# KiCad board ciaa_acc.kicad_pcb (continued)
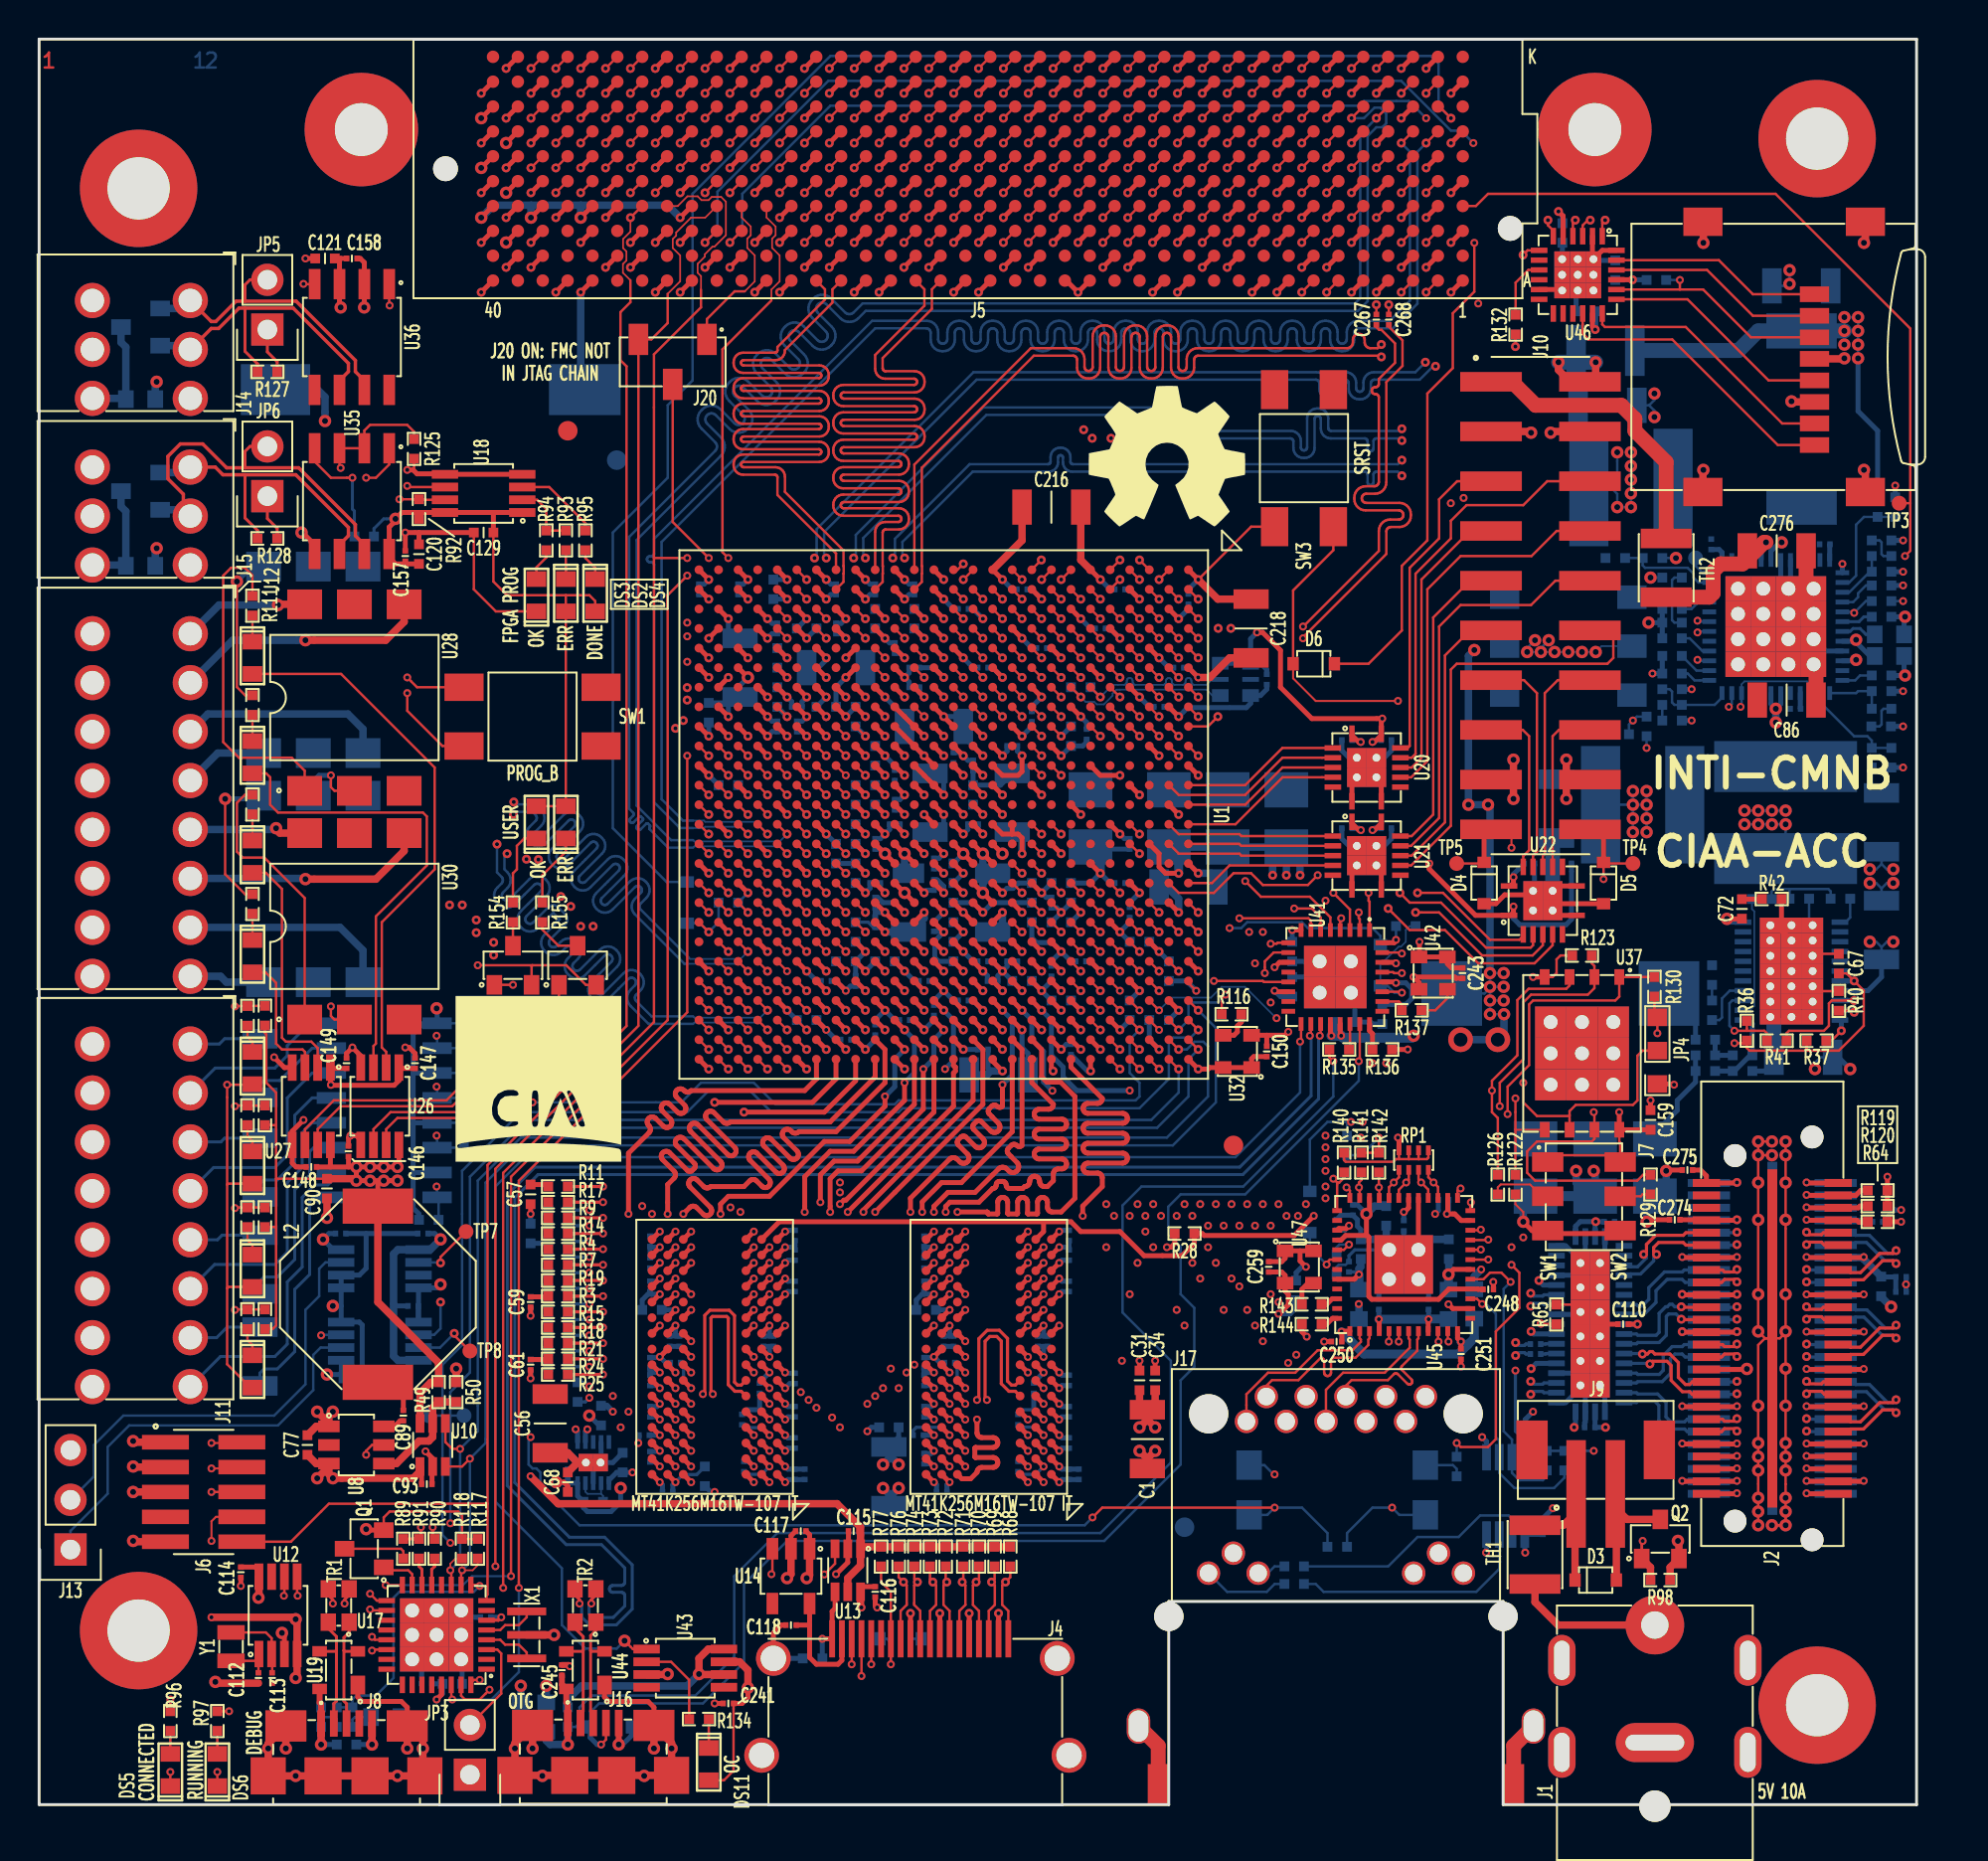
[diagram p0: board, top side]
## Routing (per net, layer and track width the routed paths; a pad name or vN(x,y) marks a point on that pad's centre or on a via; arc(x,y) is an arc through that point) (continued)
/Principal/BANKS_HR/FMC_LA_9_P: length 77.7
  TOP_L1.Sig w0.127: J5.D14 56.19,81.65 v2(55.6,81.05) ; U1.AB12 v2(38.2,51.57)
  L10.Sig w0.089: v2(38.2,51.57) 37.71,51.08 36.99,51.08 36.7,51.37 36.7,51.77 36.53,51.94 33.91,51.94 33.9,51.93 31.95,51.93 29.3,54.58 29.3,64.22 31.79,66.72 51.11,66.72 51.14,66.72 51.18,66.73 51.21,66.75 51.23,66.78 51.25,66.81 51.27,66.84 51.27,66.88 51.27,67.2 51.28,67.29 51.31,67.38 51.36,67.46 51.43,67.52 51.5,67.57 51.59,67.6 51.68,67.61 51.73,67.61 51.83,67.6 51.91,67.57 51.99,67.52 52.06,67.46 52.11,67.38 52.14,67.29 52.15,67.2 52.15,66.88 52.15,66.84 52.16,66.81 52.18,66.78 52.21,66.75 52.24,66.73 52.27,66.72 52.31,66.72 52.34,66.72 52.38,66.73 52.41,66.75 52.43,66.78 52.45,66.81 52.47,66.84 52.47,66.88 52.47,67.2 52.48,67.29 52.51,67.38 52.56,67.46 52.63,67.52 52.7,67.57 52.79,67.6 52.88,67.61 52.93,67.61 53.03,67.6 53.11,67.57 53.19,67.52 53.26,67.46 53.31,67.38 53.34,67.29 53.35,67.2 53.35,66.88 53.35,66.84 53.36,66.81 53.38,66.78 53.41,66.75 53.44,66.73 53.47,66.72 53.51,66.72 53.54,66.72 53.58,66.73 53.61,66.75 53.63,66.78 53.65,66.81 53.67,66.84 53.67,66.88 53.67,67.2 53.68,67.29 53.71,67.38 53.76,67.46 53.83,67.52 53.9,67.57 53.99,67.6 54.08,67.61 54.13,67.61 54.23,67.6 54.31,67.57 54.39,67.52 54.46,67.46 54.51,67.38 54.54,67.29 54.55,67.2 54.55,66.88 54.55,66.84 54.56,66.81 54.58,66.78 54.61,66.75 54.64,66.73 54.67,66.72 54.71,66.72 54.78,66.72 55.47,67.4 55.49,67.44 55.51,67.48 55.52,67.52 55.52,67.57 55.51,67.61 55.49,67.65 55.47,67.69 55.45,67.7 55.43,67.74 55.41,67.78 55.4,67.82 55.4,67.86 55.41,67.91 55.43,67.95 55.45,67.98 55.49,68.01 55.53,68.03 55.57,68.04 55.62,68.04 55.66,68.03 55.7,68.01 55.74,67.98 55.75,67.97 55.78,67.94 55.82,67.92 55.87,67.91 55.91,67.91 55.96,67.92 56,67.94 56.03,67.97 56.09,68.03 56.09,69.02 56.09,69.03 56.09,69.04 56.09,69.05 56.08,69.05 56.07,69.06 56.07,69.06 56.06,69.06 55.9,69.06 55.83,69.07 55.77,69.09 55.72,69.12 55.67,69.17 55.63,69.23 55.61,69.29 55.6,69.36 55.6,69.64 55.61,69.71 55.63,69.77 55.67,69.83 55.72,69.87 55.77,69.91 55.83,69.93 55.9,69.94 56.55,69.94 56.56,69.94 56.56,69.94 56.57,69.95 56.58,69.95 56.58,69.96 56.58,69.97 56.58,69.97 56.58,70.22 56.58,70.23 56.58,70.24 56.58,70.25 56.57,70.25 56.56,70.26 56.56,70.26 56.55,70.26 55.9,70.26 55.83,70.27 55.77,70.29 55.72,70.32 55.67,70.37 55.63,70.43 55.61,70.49 55.6,70.56 55.6,70.84 55.61,70.91 55.63,70.97 55.67,71.03 55.72,71.07 55.77,71.11 55.83,71.13 55.9,71.14 56.55,71.14 56.56,71.14 56.56,71.14 56.57,71.15 56.58,71.15 56.58,71.16 56.58,71.17 56.58,71.17 56.58,71.42 56.58,71.43 56.58,71.44 56.58,71.45 56.57,71.45 56.56,71.46 56.56,71.46 56.55,71.46 55.9,71.46 55.83,71.47 55.77,71.49 55.72,71.52 55.67,71.57 55.63,71.63 55.61,71.69 55.6,71.76 55.6,72.04 55.61,72.11 55.63,72.17 55.67,72.23 55.72,72.27 55.77,72.31 55.83,72.33 55.9,72.34 56.55,72.34 56.56,72.34 56.56,72.34 56.57,72.35 56.58,72.35 56.58,72.36 56.58,72.37 56.58,72.37 56.58,72.62 56.58,72.63 56.58,72.64 56.58,72.65 56.57,72.65 56.56,72.66 56.56,72.66 56.55,72.66 55.9,72.66 55.83,72.67 55.77,72.69 55.72,72.72 55.67,72.77 55.63,72.83 55.61,72.89 55.6,72.96 55.6,73.24 55.61,73.31 55.63,73.37 55.67,73.43 55.72,73.47 55.77,73.51 55.83,73.53 55.9,73.54 56.55,73.54 56.56,73.54 56.56,73.54 56.57,73.55 56.58,73.55 56.58,73.56 56.58,73.57 56.58,73.57 56.58,73.82 56.58,73.83 56.58,73.84 56.58,73.85 56.57,73.85 56.56,73.86 56.56,73.86 56.55,73.86 55.9,73.86 55.83,73.87 55.77,73.89 55.72,73.92 55.67,73.97 55.63,74.03 55.61,74.09 55.6,74.16 55.6,74.44 55.61,74.51 55.63,74.57 55.67,74.63 55.72,74.67 55.77,74.71 55.83,74.73 55.9,74.74 56.55,74.74 56.56,74.74 56.56,74.74 56.57,74.75 56.58,74.75 56.58,74.76 56.58,74.77 56.58,74.77 56.58,75.02 56.58,75.03 56.58,75.04 56.58,75.05 56.57,75.05 56.56,75.06 56.56,75.06 56.55,75.06 55.9,75.06 55.83,75.07 55.77,75.09 55.72,75.12 55.67,75.17 55.63,75.23 55.61,75.29 55.6,75.36 55.6,75.64 55.61,75.71 55.63,75.77 55.67,75.83 55.72,75.87 55.77,75.91 55.83,75.93 55.9,75.94 56.06,75.94 56.07,75.94 56.07,75.94 56.08,75.95 56.09,75.95 56.09,75.96 56.09,75.97 56.09,75.97 56.09,76.3 54.82,77.57 54.82,80.28 v2(55.6,81.05)
/Principal/BANKS_HR/FMC_LA_10_N: length 77.7
  TOP_L1.Sig w0.127: J5.C15 54.92,80.38 v2(54.33,79.78) ; U1.AA14 v2(39.2,49.57)
  L8.Sig w0.089: v2(54.74,69.79) 54.74,70.05 54.33,70.46 54.33,70.95 54.5,71.12 54.52,71.14 54.53,71.16 54.53,71.18 54.53,71.21 54.53,71.23 54.52,71.26 54.5,71.28 54.22,71.56 54.2,71.58 54.19,71.6 54.19,71.63 54.19,71.65 54.19,71.68 54.2,71.7 54.22,71.72 54.24,71.74 54.26,71.75 54.29,71.75 54.31,71.75 54.34,71.75 54.36,71.74 54.38,71.72 54.66,71.44 54.68,71.42 54.71,71.41 54.73,71.41 54.76,71.41 54.78,71.41 54.8,71.42 54.82,71.44 54.82,71.8 54.83,71.87 54.85,71.94 54.89,72 54.94,72.05 55,72.08 55.07,72.11 55.14,72.11 55.29,72.11 55.31,72.12 55.32,72.12 55.33,72.13 55.34,72.13 55.34,72.14 55.35,72.16 55.35,72.17 55.35,72.38 55.35,72.39 55.34,72.41 55.34,72.42 55.33,72.42 55.32,72.43 55.31,72.43 55.29,72.44 54.96,72.44 54.96,72.44 54.61,72.44 54.54,72.45 54.48,72.47 54.42,72.51 54.37,72.56 54.33,72.62 54.31,72.69 54.3,72.76 54.3,73.01 54.31,73.08 54.33,73.15 54.37,73.21 54.42,73.25 54.48,73.29 54.54,73.31 54.61,73.32 55.29,73.32 55.31,73.32 55.32,73.33 55.33,73.33 55.34,73.34 55.34,73.35 55.35,73.36 55.35,73.37 55.35,73.59 55.35,73.6 55.34,73.61 55.34,73.62 55.33,73.63 55.32,73.64 55.31,73.64 55.29,73.64 54.61,73.64 54.54,73.65 54.48,73.67 54.42,73.71 54.37,73.76 54.33,73.82 54.31,73.89 54.3,73.96 54.3,74.21 54.31,74.28 54.33,74.35 54.37,74.41 54.42,74.45 54.48,74.49 54.54,74.51 54.61,74.52 55.29,74.52 55.31,74.52 55.32,74.53 55.33,74.53 55.34,74.54 55.34,74.55 55.35,74.56 55.35,74.57 55.35,74.79 55.35,74.8 55.34,74.81 55.34,74.82 55.33,74.83 55.32,74.84 55.31,74.84 55.29,74.84 54.61,74.84 54.54,74.85 54.48,74.87 54.42,74.91 54.37,74.96 54.33,75.02 54.31,75.09 54.3,75.16 54.3,75.41 54.31,75.48 54.33,75.55 54.37,75.61 54.42,75.65 54.48,75.69 54.54,75.71 54.61,75.72 55.29,75.72 55.31,75.72 55.32,75.73 55.33,75.73 55.34,75.74 55.34,75.75 55.35,75.76 55.35,75.77 55.35,75.99 55.35,76 55.34,76.01 55.34,76.02 55.33,76.03 55.32,76.04 55.31,76.04 55.29,76.04 54.61,76.04 54.54,76.05 54.48,76.07 54.42,76.11 54.37,76.16 54.33,76.22 54.31,76.29 54.3,76.36 54.3,76.61 54.31,76.68 54.33,76.75 54.37,76.81 54.42,76.85 54.48,76.89 54.54,76.91 54.61,76.92 55.29,76.92 55.31,76.92 55.32,76.93 55.33,76.93 55.34,76.94 55.34,76.95 55.35,76.96 55.35,76.97 55.35,77.19 55.35,77.2 55.34,77.21 55.34,77.22 55.33,77.23 55.32,77.24 55.31,77.24 55.29,77.24 54.61,77.24 54.54,77.25 54.48,77.27 54.42,77.31 54.37,77.36 54.33,77.42 54.31,77.49 54.3,77.56 54.3,77.81 54.31,77.88 54.33,77.95 54.37,78.01 54.42,78.05 54.48,78.09 54.54,78.11 54.61,78.12 54.77,78.12 54.78,78.12 54.79,78.13 54.8,78.13 54.81,78.14 54.82,78.15 54.82,78.16 54.82,78.17 54.82,79.29 v2(54.33,79.78) ; v2(39.2,49.57) 38.82,49.19 33.9,49.19 33.89,49.21 30.62,49.21 28.05,51.77 28.05,66.01 30.76,68.72 52.98,68.72 53.6,69.34 53.6,69.6 v2(53.78,69.79)
  L10.Sig w0.089: v2(54.74,69.79) 54.74,70.05 54.4,70.39 54.13,70.39 53.78,70.05 v2(53.78,69.79)
/Principal/BANKS_HR/FMC_LA_10_P: length 77.7
  TOP_L1.Sig w0.127: v2(55.6,79.78) 56.19,80.38 J5.C14 ; U1.AA15 v2(39.2,48.57)
  L8.Sig w0.089: v2(39.2,48.57) 38.82,48.95 33.9,48.95 33.88,48.93 30.51,48.93 27.77,51.66 27.77,66.13 30.65,69 52.86,69 53.35,69.49 v2(53.35,70.22) ; v2(55.18,70.22) 54.92,70.22 54.58,70.56 54.58,70.84 55.1,71.37 55.1,71.78 55.1,71.79 55.11,71.81 55.11,71.82 55.12,71.82 55.13,71.83 55.14,71.83 55.15,71.84 55.31,71.84 55.38,71.84 55.45,71.87 55.51,71.9 55.56,71.95 55.6,72.01 55.62,72.08 55.63,72.15 55.63,72.4 55.62,72.47 55.6,72.54 55.56,72.6 55.51,72.65 55.45,72.68 55.38,72.71 55.31,72.71 54.96,72.71 54.96,72.72 54.63,72.72 54.62,72.72 54.61,72.73 54.6,72.73 54.59,72.74 54.58,72.75 54.58,72.76 54.58,72.77 54.58,72.99 54.58,73 54.58,73.01 54.59,73.02 54.6,73.03 54.61,73.04 54.62,73.04 54.63,73.04 55.31,73.04 55.38,73.05 55.45,73.07 55.51,73.11 55.56,73.16 55.6,73.22 55.62,73.29 55.63,73.36 55.63,73.61 55.62,73.68 55.6,73.75 55.56,73.81 55.51,73.85 55.45,73.89 55.38,73.91 55.31,73.92 54.63,73.92 54.62,73.92 54.61,73.93 54.6,73.93 54.59,73.94 54.58,73.95 54.58,73.96 54.58,73.97 54.58,74.19 54.58,74.2 54.58,74.21 54.59,74.22 54.6,74.23 54.61,74.24 54.62,74.24 54.63,74.24 55.31,74.24 55.38,74.25 55.45,74.27 55.51,74.31 55.56,74.36 55.6,74.42 55.62,74.49 55.63,74.56 55.63,74.81 55.62,74.88 55.6,74.95 55.56,75.01 55.51,75.05 55.45,75.09 55.38,75.11 55.31,75.12 54.63,75.12 54.62,75.12 54.61,75.13 54.6,75.13 54.59,75.14 54.58,75.15 54.58,75.16 54.58,75.17 54.58,75.39 54.58,75.4 54.58,75.41 54.59,75.42 54.6,75.43 54.61,75.44 54.62,75.44 54.63,75.44 55.31,75.44 55.38,75.45 55.45,75.47 55.51,75.51 55.56,75.56 55.6,75.62 55.62,75.69 55.63,75.76 55.63,76.01 55.62,76.08 55.6,76.15 55.56,76.21 55.51,76.25 55.45,76.29 55.38,76.31 55.31,76.32 54.63,76.32 54.62,76.32 54.61,76.33 54.6,76.33 54.59,76.34 54.58,76.35 54.58,76.36 54.58,76.37 54.58,76.59 54.58,76.6 54.58,76.61 54.59,76.62 54.6,76.63 54.61,76.64 54.62,76.64 54.63,76.64 55.31,76.64 55.38,76.65 55.45,76.67 55.51,76.71 55.56,76.76 55.6,76.82 55.62,76.89 55.63,76.96 55.63,77.21 55.62,77.28 55.6,77.35 55.56,77.41 55.51,77.45 55.45,77.49 55.38,77.51 55.31,77.52 54.63,77.52 54.62,77.52 54.61,77.53 54.6,77.53 54.59,77.54 54.58,77.55 54.58,77.56 54.58,77.57 54.58,77.79 54.58,77.8 54.58,77.81 54.59,77.82 54.6,77.83 54.61,77.84 54.62,77.84 54.63,77.84 54.79,77.84 54.86,77.85 54.93,77.87 54.99,77.91 55.03,77.96 55.07,78.02 55.09,78.09 55.1,78.16 55.1,79.29 v2(55.6,79.78)
  L10.Sig w0.089: v2(55.18,70.22) 54.92,70.22 54.51,70.64 54.02,70.64 53.61,70.22 v2(53.35,70.22)
/Principal/BANKS_HR/FMC_LA_11_N: length 77.7
  TOP_L1.Sig w0.127: v2(51.79,86.13) 52.38,86.73 J5.H17 ; U1.AA17 v2(39.2,46.57)
  L8.Sig w0.089: v2(51.79,86.13) 52.28,85.64 52.28,73.05 52.27,73.04 52.25,73.03 52.23,73.03 52.21,73.03 52.2,73.03 52.18,73.04 52.16,73.05 52.05,73.17 51.99,73.21 51.92,73.25 51.85,73.26 51.77,73.26 51.7,73.25 51.63,73.21 51.57,73.17 51.43,73.03 51.38,72.97 51.35,72.9 51.33,72.83 51.33,72.75 51.35,72.67 51.38,72.6 51.43,72.54 51.7,72.27 51.96,72.02 51.97,72 51.98,71.98 51.98,71.96 51.98,71.95 51.98,71.93 51.97,71.91 51.96,71.9 51.85,71.79 51.83,71.78 51.82,71.77 51.8,71.76 51.78,71.76 51.76,71.77 51.75,71.78 51.73,71.79 51.2,72.32 51.14,72.37 51.07,72.4 51,72.42 50.92,72.42 50.85,72.4 50.78,72.37 50.72,72.32 50.58,72.18 50.53,72.12 50.5,72.05 50.48,71.98 50.48,71.9 50.5,71.82 50.53,71.76 50.58,71.7 50.69,71.58 50.7,71.57 50.71,71.55 50.72,71.53 50.72,71.51 50.71,71.49 50.7,71.48 50.69,71.46 50.6,71.37 50.58,71.36 50.56,71.35 50.54,71.34 50.52,71.34 50.5,71.35 50.48,71.36 50.46,71.37 50.31,71.52 50.29,71.53 50.27,71.54 50.25,71.54 50.23,71.54 50.21,71.54 50.19,71.53 50.17,71.52 50.16,71.5 50.15,71.48 50.14,71.46 50.14,71.43 50.15,71.41 50.16,71.39 50.17,71.37 50.32,71.23 50.33,71.21 50.34,71.19 50.35,71.17 50.35,71.15 50.34,71.12 50.33,71.1 50.32,71.09 49.76,70.53 30.01,70.53 26.25,66.76 26.25,50.64 29.96,46.93 33.9,46.93 33.91,46.94 38.83,46.94 v2(39.2,46.57)
/Principal/BANKS_HR/FMC_LA_11_P: length 77.7
  TOP_L1.Sig w0.127: U1.Y17 v2(40.2,46.57) ; J5.H16 53.65,86.73 v2(53.06,86.13)
  L8.Sig w0.089: v2(53.06,86.13) 52.56,85.64 52.56,72.94 52.47,72.84 52.41,72.79 52.34,72.76 52.26,72.74 52.19,72.74 52.11,72.76 52.04,72.79 51.98,72.84 51.87,72.95 51.85,72.97 51.84,72.97 51.82,72.98 51.8,72.98 51.78,72.97 51.76,72.97 51.75,72.95 51.64,72.85 51.63,72.83 51.62,72.81 51.62,72.8 51.62,72.78 51.62,72.76 51.63,72.74 51.64,72.73 51.9,72.47 52.17,72.2 52.22,72.14 52.25,72.07 52.27,71.99 52.27,71.92 52.25,71.84 52.22,71.77 52.17,71.71 52.03,71.58 51.97,71.53 51.9,71.49 51.83,71.48 51.75,71.48 51.68,71.49 51.61,71.53 51.55,71.58 51.02,72.1 51,72.12 50.99,72.12 50.97,72.13 50.95,72.13 50.93,72.12 50.91,72.12 50.9,72.1 50.79,72 50.78,71.98 50.77,71.97 50.77,71.95 50.77,71.93 50.77,71.91 50.78,71.89 50.79,71.88 50.91,71.76 50.95,71.7 50.99,71.64 51,71.56 51,71.48 50.99,71.41 50.95,71.34 50.91,71.28 49.87,70.25 30.13,70.25 26.53,66.65 26.53,50.76 30.08,47.21 33.9,47.21 33.92,47.19 39.58,47.19 v2(40.2,46.57)
/Principal/BANKS_HR/FMC_LA_12_N: length 77.7
  TOP_L1.Sig w0.127: U1.W15 v2(41.2,48.57) ; v2(53.06,84.86) 53.65,85.46 J5.G16
  L8.Sig w0.089: v2(53.06,84.86) 53.69,84.86 54.2,85.37 54.58,85.37 54.84,85.12 54.84,84.74 54.58,84.48 54.45,84.48 53.83,83.86 53.83,74.68 53.82,74.59 53.79,74.5 53.74,74.42 53.68,74.35 53.6,74.31 53.51,74.27 53.42,74.26 53.21,74.26 53.17,74.26 53.14,74.25 53.11,74.23 53.08,74.2 53.06,74.17 53.05,74.14 53.05,74.1 53.05,74.07 53.06,74.03 53.08,74 53.11,73.98 53.14,73.96 53.17,73.95 53.21,73.94 53.42,73.94 53.51,73.93 53.6,73.9 53.68,73.85 53.74,73.79 53.79,73.71 53.82,73.62 53.83,73.53 53.83,71.98 51.34,69.48 30.38,69.48 27.29,66.39 27.29,51.27 30.35,48.21 33.88,48.21 33.9,48.19 40.82,48.19 v2(41.2,48.57)
/Principal/BANKS_HR/FMC_LA_12_P: length 77.7
  TOP_L1.Sig w0.127: v2(54.33,84.86) 54.92,85.46 J5.G15 ; U1.W16 v2(41.2,47.57)
  L8.Sig w0.089: v2(41.2,47.57) 40.82,47.95 33.9,47.95 33.88,47.93 30.23,47.93 27.01,51.15 27.01,66.51 30.27,69.76 51.22,69.76 51.45,69.99 51.47,70.02 51.49,70.05 51.49,70.08 51.49,70.12 51.49,70.15 51.47,70.18 51.45,70.21 51.17,70.48 51.15,70.51 51.14,70.54 51.13,70.57 51.13,70.61 51.14,70.64 51.15,70.67 51.17,70.7 51.2,70.72 51.23,70.73 51.26,70.74 51.3,70.74 51.33,70.73 51.36,70.72 51.39,70.7 51.66,70.42 51.69,70.4 51.72,70.38 51.75,70.37 51.79,70.37 51.82,70.38 51.85,70.4 51.88,70.42 51.9,70.44 51.91,70.47 51.92,70.51 51.92,70.54 51.91,70.57 51.9,70.6 51.88,70.63 51.67,70.84 51.65,70.86 51.63,70.89 51.63,70.93 51.63,70.96 51.63,70.99 51.65,71.02 51.67,71.05 51.69,71.07 51.72,71.08 51.76,71.09 51.79,71.09 51.82,71.08 51.85,71.07 51.88,71.05 52.09,70.84 52.11,70.82 52.14,70.81 52.18,70.8 52.21,70.8 52.24,70.81 52.27,70.82 52.3,70.84 53.55,72.09 53.55,73.5 53.55,73.54 53.54,73.57 53.52,73.6 53.49,73.63 53.46,73.65 53.43,73.66 53.39,73.66 53.18,73.66 53.09,73.67 53,73.71 52.92,73.75 52.86,73.82 52.81,73.9 52.78,73.99 52.77,74.08 52.77,74.13 52.78,74.22 52.81,74.31 52.86,74.39 52.92,74.45 53,74.5 53.09,74.53 53.18,74.54 53.39,74.54 53.43,74.55 53.46,74.56 53.49,74.58 53.52,74.6 53.54,74.63 53.55,74.67 53.55,74.7 53.55,84.09 v2(54.33,84.86)
/Principal/BANKS_HR/FMC_LA_13_N: length 77.7
  TOP_L1.Sig w0.127: J5.D18 51.11,81.65 v2(50.52,81.05) ; U1.AF12 v2(34.2,51.57)
  L10.Sig w0.089: v2(50.52,81.05) 51.15,81.05 51.66,81.56 52.04,81.56 52.3,81.31 52.3,80.8 52.04,80.55 51.79,80.55 51.29,80.05 51.29,76.84 51.28,76.75 51.25,76.66 51.2,76.58 51.14,76.51 51.06,76.46 50.97,76.43 50.88,76.42 50.69,76.42 50.65,76.42 50.62,76.41 50.59,76.39 50.56,76.36 50.54,76.33 50.53,76.3 50.53,76.26 50.53,76.23 50.54,76.19 50.56,76.16 50.59,76.14 50.62,76.12 50.65,76.11 50.69,76.1 51.99,76.1 52.09,76.09 52.17,76.06 52.25,76.01 52.32,75.95 52.37,75.87 52.4,75.78 52.41,75.69 52.41,75.64 52.4,75.55 52.37,75.46 52.32,75.38 52.25,75.31 52.17,75.26 52.09,75.23 51.99,75.22 50.69,75.22 50.65,75.22 50.62,75.21 50.59,75.19 50.56,75.16 50.54,75.13 50.53,75.1 50.53,75.06 50.53,75.03 50.54,74.99 50.56,74.96 50.59,74.94 50.62,74.92 50.65,74.91 50.69,74.9 51.99,74.9 52.09,74.89 52.17,74.86 52.25,74.81 52.32,74.75 52.37,74.67 52.4,74.58 52.41,74.49 52.41,74.44 52.4,74.35 52.37,74.26 52.32,74.18 52.25,74.11 52.17,74.06 52.09,74.03 51.99,74.02 50.69,74.02 50.65,74.02 50.62,74.01 50.59,73.99 50.56,73.96 50.54,73.93 50.53,73.9 50.53,73.86 50.53,73.83 50.54,73.79 50.56,73.76 50.59,73.74 50.62,73.72 50.65,73.71 50.69,73.7 51.99,73.7 52.09,73.69 52.17,73.66 52.25,73.61 52.32,73.55 52.37,73.47 52.4,73.38 52.41,73.29 52.41,73.24 52.4,73.15 52.37,73.06 52.32,72.98 52.25,72.91 52.17,72.86 52.09,72.83 51.99,72.82 50.69,72.82 50.65,72.82 50.62,72.81 50.59,72.79 50.56,72.76 50.54,72.73 50.53,72.7 50.53,72.66 50.53,72.63 50.54,72.59 50.56,72.56 50.59,72.54 50.62,72.52 50.65,72.51 50.69,72.5 51.99,72.5 52.09,72.49 52.17,72.46 52.25,72.41 52.32,72.35 52.37,72.27 52.4,72.18 52.41,72.09 52.41,72.04 52.4,71.95 52.37,71.86 52.32,71.78 52.25,71.71 52.17,71.66 52.09,71.63 51.99,71.62 50.69,71.62 50.65,71.62 50.62,71.61 50.59,71.59 50.56,71.56 50.54,71.53 50.53,71.5 50.53,71.46 50.53,71.43 50.54,71.39 50.56,71.36 50.59,71.34 50.62,71.32 50.65,71.31 50.69,71.3 51.99,71.3 52.09,71.29 52.17,71.26 52.25,71.21 52.32,71.15 52.37,71.07 52.4,70.98 52.41,70.89 52.41,70.84 52.4,70.75 52.37,70.66 52.32,70.58 52.25,70.51 52.17,70.46 52.09,70.43 51.99,70.42 50.69,70.42 50.65,70.42 50.62,70.41 50.59,70.39 50.56,70.36 50.54,70.33 50.53,70.3 50.53,70.26 50.53,70.23 50.54,70.19 50.56,70.16 50.59,70.14 50.62,70.12 50.65,70.11 50.69,70.1 51.99,70.1 52.09,70.09 52.17,70.06 52.25,70.01 52.32,69.95 52.37,69.87 52.4,69.78 52.41,69.69 52.41,69.64 52.4,69.55 52.37,69.46 52.32,69.38 52.25,69.31 52.17,69.26 52.09,69.23 51.99,69.22 51.45,69.22 51.42,69.22 51.38,69.21 51.35,69.19 51.33,69.16 51.31,69.13 51.3,69.1 51.29,69.06 51.29,68.17 50.32,67.2 31.53,67.2 28.81,64.49 28.81,54.31 31.92,51.21 33.84,51.21 v2(34.2,51.57)
/Principal/BANKS_HR/FMC_LA_13_P: length 77.7
  TOP_L1.Sig w0.127: U1.AE12 v2(35.2,51.57) ; J5.D17 52.38,81.65 v2(51.79,81.05)
  L10.Sig w0.089: v2(51.79,81.05) 51.01,80.28 51.01,76.86 51.01,76.83 51,76.79 50.98,76.76 50.95,76.74 50.92,76.72 50.89,76.71 50.85,76.7 50.66,76.7 50.57,76.69 50.48,76.66 50.4,76.61 50.34,76.55 50.29,76.47 50.26,76.38 50.25,76.29 50.25,76.24 50.26,76.15 50.29,76.06 50.34,75.98 50.4,75.91 50.48,75.86 50.57,75.83 50.66,75.82 51.97,75.82 52,75.82 52.04,75.81 52.07,75.79 52.09,75.76 52.11,75.73 52.12,75.7 52.13,75.66 52.12,75.63 52.11,75.59 52.09,75.56 52.07,75.54 52.04,75.52 52,75.51 51.97,75.5 50.66,75.5 50.57,75.49 50.48,75.46 50.4,75.41 50.34,75.35 50.29,75.27 50.26,75.18 50.25,75.09 50.25,75.04 50.26,74.95 50.29,74.86 50.34,74.78 50.4,74.71 50.48,74.66 50.57,74.63 50.66,74.62 51.97,74.62 52,74.62 52.04,74.61 52.07,74.59 52.09,74.56 52.11,74.53 52.12,74.5 52.13,74.46 52.12,74.43 52.11,74.39 52.09,74.36 52.07,74.34 52.04,74.32 52,74.31 51.97,74.3 50.66,74.3 50.57,74.29 50.48,74.26 50.4,74.21 50.34,74.15 50.29,74.07 50.26,73.98 50.25,73.89 50.25,73.84 50.26,73.75 50.29,73.66 50.34,73.58 50.4,73.51 50.48,73.46 50.57,73.43 50.66,73.42 51.97,73.42 52,73.42 52.04,73.41 52.07,73.39 52.09,73.36 52.11,73.33 52.12,73.3 52.13,73.26 52.12,73.23 52.11,73.19 52.09,73.16 52.07,73.14 52.04,73.12 52,73.11 51.97,73.1 50.66,73.1 50.57,73.09 50.48,73.06 50.4,73.01 50.34,72.95 50.29,72.87 50.26,72.78 50.25,72.69 50.25,72.64 50.26,72.55 50.29,72.46 50.34,72.38 50.4,72.31 50.48,72.26 50.57,72.23 50.66,72.22 51.97,72.22 52,72.22 52.04,72.21 52.07,72.19 52.09,72.16 52.11,72.13 52.12,72.1 52.13,72.06 52.12,72.03 52.11,71.99 52.09,71.96 52.07,71.94 52.04,71.92 52,71.91 51.97,71.9 50.66,71.9 50.57,71.89 50.48,71.86 50.4,71.81 50.34,71.75 50.29,71.67 50.26,71.58 50.25,71.49 50.25,71.44 50.26,71.35 50.29,71.26 50.34,71.18 50.4,71.11 50.48,71.06 50.57,71.03 50.66,71.02 51.97,71.02 52,71.02 52.04,71.01 52.07,70.99 52.09,70.96 52.11,70.93 52.12,70.9 52.13,70.86 52.12,70.83 52.11,70.79 52.09,70.76 52.07,70.74 52.04,70.72 52,70.71 51.97,70.7 50.66,70.7 50.57,70.69 50.48,70.66 50.4,70.61 50.34,70.55 50.29,70.47 50.26,70.38 50.25,70.29 50.25,70.24 50.26,70.15 50.29,70.06 50.34,69.98 50.4,69.91 50.48,69.86 50.57,69.83 50.66,69.82 51.97,69.82 52,69.82 52.04,69.81 52.07,69.79 52.09,69.76 52.11,69.73 52.12,69.7 52.13,69.66 52.12,69.63 52.11,69.59 52.09,69.56 52.07,69.54 52.04,69.52 52,69.51 51.97,69.5 51.43,69.5 51.34,69.49 51.25,69.46 51.17,69.41 51.1,69.35 51.05,69.27 51.02,69.18 51.01,69.09 51.01,68.28 50.99,68.27 50.96,68.25 50.93,68.25 50.9,68.25 50.87,68.25 50.84,68.27 50.82,68.28 50.57,68.53 50.55,68.55 50.52,68.56 50.49,68.57 50.46,68.57 50.43,68.56 50.4,68.55 50.37,68.53 50.35,68.51 50.34,68.48 50.33,68.45 50.33,68.42 50.34,68.39 50.35,68.36 50.37,68.33 50.62,68.09 50.64,68.06 50.65,68.04 50.66,68.01 50.66,67.97 50.65,67.94 50.64,67.92 50.62,67.89 50.21,67.48 31.41,67.48 28.53,64.6 28.53,54.2 31.8,50.93 33.96,50.93 34.1,51.07 34.7,51.07 v2(35.2,51.57)
/Principal/BANKS_HR/FMC_LA_14_N: length 77.7
  TOP_L1.Sig w0.127: U1.AF13 v2(34.2,50.57) ; v2(49.25,79.78) 49.84,80.38 J5.C19
  L10.Sig w0.089: v2(49.25,79.78) 50.02,79.01 50.02,76.46 50.01,76.36 49.98,76.28 49.93,76.2 49.87,76.13 49.79,76.08 49.7,76.05 49.61,76.04 48.42,76.04 48.38,76.04 48.35,76.03 48.32,76.01 48.29,75.98 48.27,75.95 48.26,75.92 48.26,75.88 48.26,75.85 48.27,75.81 48.29,75.78 48.32,75.76 48.35,75.74 48.38,75.73 48.42,75.72 49.61,75.72 49.7,75.71 49.79,75.68 49.87,75.63 49.93,75.57 49.98,75.49 50.01,75.4 50.02,75.31 50.02,75.26 50.01,75.16 49.98,75.08 49.93,75 49.87,74.93 49.79,74.88 49.7,74.85 49.61,74.84 48.42,74.84 48.38,74.84 48.35,74.83 48.32,74.81 48.29,74.78 48.27,74.75 48.26,74.72 48.26,74.68 48.26,74.65 48.27,74.61 48.29,74.58 48.32,74.56 48.35,74.54 48.38,74.53 48.42,74.52 49.61,74.52 49.7,74.51 49.79,74.48 49.87,74.43 49.93,74.37 49.98,74.29 50.01,74.2 50.02,74.11 50.02,74.06 50.01,73.96 49.98,73.88 49.93,73.8 49.87,73.73 49.79,73.68 49.7,73.65 49.61,73.64 48.42,73.64 48.38,73.64 48.35,73.63 48.32,73.61 48.29,73.58 48.27,73.55 48.26,73.52 48.26,73.48 48.26,73.45 48.27,73.41 48.29,73.38 48.32,73.36 48.35,73.34 48.38,73.33 48.42,73.32 49.61,73.32 49.7,73.31 49.79,73.28 49.87,73.23 49.93,73.17 49.98,73.09 50.01,73 50.02,72.91 50.02,72.86 50.01,72.76 49.98,72.68 49.93,72.6 49.87,72.53 49.79,72.48 49.7,72.45 49.61,72.44 48.42,72.44 48.38,72.44 48.35,72.43 48.32,72.41 48.29,72.38 48.27,72.35 48.26,72.32 48.26,72.28 48.26,72.25 48.27,72.21 48.29,72.18 48.32,72.16 48.35,72.14 48.38,72.13 48.42,72.12 49.61,72.12 49.7,72.11 49.79,72.08 49.87,72.03 49.93,71.97 49.98,71.89 50.01,71.8 50.02,71.71 50.02,71.66 50.01,71.56 49.98,71.48 49.93,71.4 49.87,71.33 49.79,71.28 49.7,71.25 49.61,71.24 48.42,71.24 48.38,71.24 48.35,71.23 48.32,71.21 48.29,71.18 48.27,71.15 48.26,71.12 48.26,71.08 48.26,71.05 48.27,71.01 48.29,70.98 48.32,70.96 48.35,70.94 48.38,70.93 48.42,70.92 49.61,70.92 49.7,70.91 49.79,70.88 49.87,70.83 49.93,70.77 49.98,70.69 50.01,70.6 50.02,70.51 50.02,70.46 50.01,70.36 49.98,70.28 49.93,70.2 49.87,70.13 49.79,70.08 49.7,70.05 49.61,70.04 48.42,70.04 48.38,70.04 48.35,70.03 48.32,70.01 48.29,69.98 48.27,69.95 48.26,69.92 48.26,69.88 48.26,69.85 48.27,69.81 48.29,69.78 48.32,69.76 48.35,69.74 48.38,69.73 48.42,69.72 49.61,69.72 49.7,69.71 49.79,69.68 49.87,69.63 49.93,69.57 49.98,69.49 50.01,69.4 50.03,69.29 50.03,69.26 50.04,69.25 50.06,69.23 50.08,69.22 50.1,69.21 50.12,69.21 50.51,69.21 50.53,69.2 50.55,69.2 50.57,69.19 50.58,69.17 50.6,69.15 50.6,69.13 50.61,69.11 50.6,69.09 50.6,69.06 50.58,69.05 50.57,69.03 50.55,69.02 50.53,69.01 50.51,69.01 50.12,69.01 50.1,69 50.08,69 50.06,68.99 50.04,68.97 50.03,68.95 50.03,68.93 50.02,68.91 50.02,68.55 49.94,68.47 49.93,68.45 49.92,68.43 49.91,68.41 49.91,68.39 49.92,68.37 49.93,68.35 49.94,68.33 50.11,68.16 50.12,68.15 50.13,68.13 50.14,68.1 50.14,68.08 50.13,68.06 50.12,68.04 50.11,68.02 50.09,68.01 50.07,68 50.05,67.99 50.03,67.99 50,68 49.98,68.01 49.97,68.02 49.8,68.19 49.78,68.2 49.76,68.21 49.74,68.22 49.72,68.22 49.7,68.21 49.68,68.2 49.66,68.19 49.43,67.96 31.14,67.96 28.05,64.87 28.05,54.06 31.9,50.21 31.93,50.21 31.95,50.22 31.97,50.23 31.98,50.25 31.99,50.27 32,50.29 32,50.31 32,50.61 32.01,50.63 32.01,50.65 32.02,50.67 32.04,50.69 32.06,50.7 32.08,50.71 32.1,50.71 32.13,50.71 32.15,50.7 32.17,50.69 32.18,50.67 32.19,50.65 32.2,50.63 32.2,50.61 32.2,50.31 32.21,50.29 32.21,50.27 32.22,50.25 32.24,50.23 32.26,50.22 32.28,50.21 32.3,50.21 32.33,50.21 32.35,50.22 32.37,50.23 32.38,50.25 32.39,50.27 32.4,50.29 32.4,50.31 32.4,50.61 32.41,50.63 32.41,50.65 32.42,50.67 32.44,50.69 32.46,50.7 32.48,50.71 32.5,50.71 32.53,50.71 32.55,50.7 32.57,50.69 32.58,50.67 32.59,50.65 32.6,50.63 32.6,50.61 32.6,50.31 32.61,50.29 32.61,50.27 32.62,50.25 32.64,50.23 32.66,50.22 32.68,50.21 32.7,50.21 32.73,50.21 32.75,50.22 32.77,50.23 32.78,50.25 32.79,50.27 32.8,50.29 32.8,50.31 32.8,50.61 32.81,50.63 32.81,50.65 32.82,50.67 32.84,50.69 32.86,50.7 32.88,50.71 32.9,50.71 32.93,50.71 32.95,50.7 32.97,50.69 32.98,50.67 32.99,50.65 33,50.63 33,50.61 33,50.31 33.01,50.29 33.01,50.27 33.02,50.25 33.04,50.23 33.06,50.22 33.08,50.21 33.1,50.21 33.4,50.21 33.46,50.27 33.9,50.27 v2(34.2,50.57)
/Principal/BANKS_HR/FMC_LA_14_P: length 77.7
  TOP_L1.Sig w0.127: U1.AE13 v2(35.2,50.57) ; J5.C18 51.11,80.38 v2(50.52,79.78)
  L10.Sig w0.089: v2(35.2,50.57) 34.6,49.97 33.5,49.97 33.46,49.93 31.79,49.93 27.77,53.95 27.77,64.98 31.03,68.24 49.32,68.24 49.74,68.67 49.74,69.28 49.74,69.32 49.73,69.35 49.71,69.38 49.68,69.41 49.65,69.43 49.62,69.44 49.58,69.44 48.39,69.44 48.3,69.45 48.21,69.48 48.13,69.53 48.07,69.6 48.02,69.68 47.99,69.76 47.98,69.86 47.98,69.91 47.99,70 48.02,70.09 48.07,70.17 48.13,70.23 48.21,70.28 48.3,70.31 48.39,70.32 49.58,70.32 49.62,70.33 49.65,70.34 49.68,70.36 49.71,70.38 49.73,70.41 49.74,70.45 49.74,70.48 49.74,70.52 49.73,70.55 49.71,70.58 49.68,70.61 49.65,70.63 49.62,70.64 49.58,70.64 48.39,70.64 48.3,70.65 48.21,70.68 48.13,70.73 48.07,70.8 48.02,70.88 47.99,70.96 47.98,71.06 47.98,71.11 47.99,71.2 48.02,71.29 48.07,71.37 48.13,71.43 48.21,71.48 48.3,71.51 48.39,71.52 49.58,71.52 49.62,71.53 49.65,71.54 49.68,71.56 49.71,71.58 49.73,71.61 49.74,71.65 49.74,71.68 49.74,71.72 49.73,71.75 49.71,71.78 49.68,71.81 49.65,71.83 49.62,71.84 49.58,71.84 48.39,71.84 48.3,71.85 48.21,71.88 48.13,71.93 48.07,72 48.02,72.08 47.99,72.16 47.98,72.26 47.98,72.31 47.99,72.4 48.02,72.49 48.07,72.57 48.13,72.63 48.21,72.68 48.3,72.71 48.39,72.72 49.58,72.72 49.62,72.73 49.65,72.74 49.68,72.76 49.71,72.78 49.73,72.81 49.74,72.85 49.74,72.88 49.74,72.92 49.73,72.95 49.71,72.98 49.68,73.01 49.65,73.03 49.62,73.04 49.58,73.04 48.39,73.04 48.3,73.05 48.21,73.08 48.13,73.13 48.07,73.2 48.02,73.28 47.99,73.36 47.98,73.46 47.98,73.51 47.99,73.6 48.02,73.69 48.07,73.77 48.13,73.83 48.21,73.88 48.3,73.91 48.39,73.92 49.58,73.92 49.62,73.93 49.65,73.94 49.68,73.96 49.71,73.98 49.73,74.01 49.74,74.05 49.74,74.08 49.74,74.12 49.73,74.15 49.71,74.18 49.68,74.21 49.65,74.23 49.62,74.24 49.58,74.24 48.39,74.24 48.3,74.25 48.21,74.28 48.13,74.33 48.07,74.4 48.02,74.48 47.99,74.56 47.98,74.66 47.98,74.71 47.99,74.8 48.02,74.89 48.07,74.97 48.13,75.03 48.21,75.08 48.3,75.11 48.39,75.12 49.58,75.12 49.62,75.13 49.65,75.14 49.68,75.16 49.71,75.18 49.73,75.21 49.74,75.25 49.74,75.28 49.74,75.32 49.73,75.35 49.71,75.38 49.68,75.41 49.65,75.43 49.62,75.44 49.58,75.44 48.39,75.44 48.3,75.45 48.21,75.48 48.13,75.53 48.07,75.6 48.02,75.68 47.99,75.76 47.98,75.86 47.98,75.91 47.99,76 48.02,76.09 48.07,76.17 48.13,76.23 48.21,76.28 48.3,76.31 48.39,76.32 49.58,76.32 49.62,76.33 49.65,76.34 49.68,76.36 49.71,76.38 49.73,76.41 49.74,76.45 49.74,76.48 49.74,78.78 49.25,79.28 48.99,79.28 48.74,79.53 48.74,80.04 48.99,80.29 49.5,80.29 50.01,79.78 v2(50.52,79.78)